# Altium PCB Audio-Beamformer_V1.0.PcbDoc (part 9 of 11)
Units mm, origin at the board's own origin, x right, y up, seen from the top; angles counter-clockwise.
Board outline 300 x 376 mm, 2 copper layers (Top Layer, Bottom Layer), stack 1.548 mm thick; 1137 components, 629 nets, 3569 pads, 2808 vias.
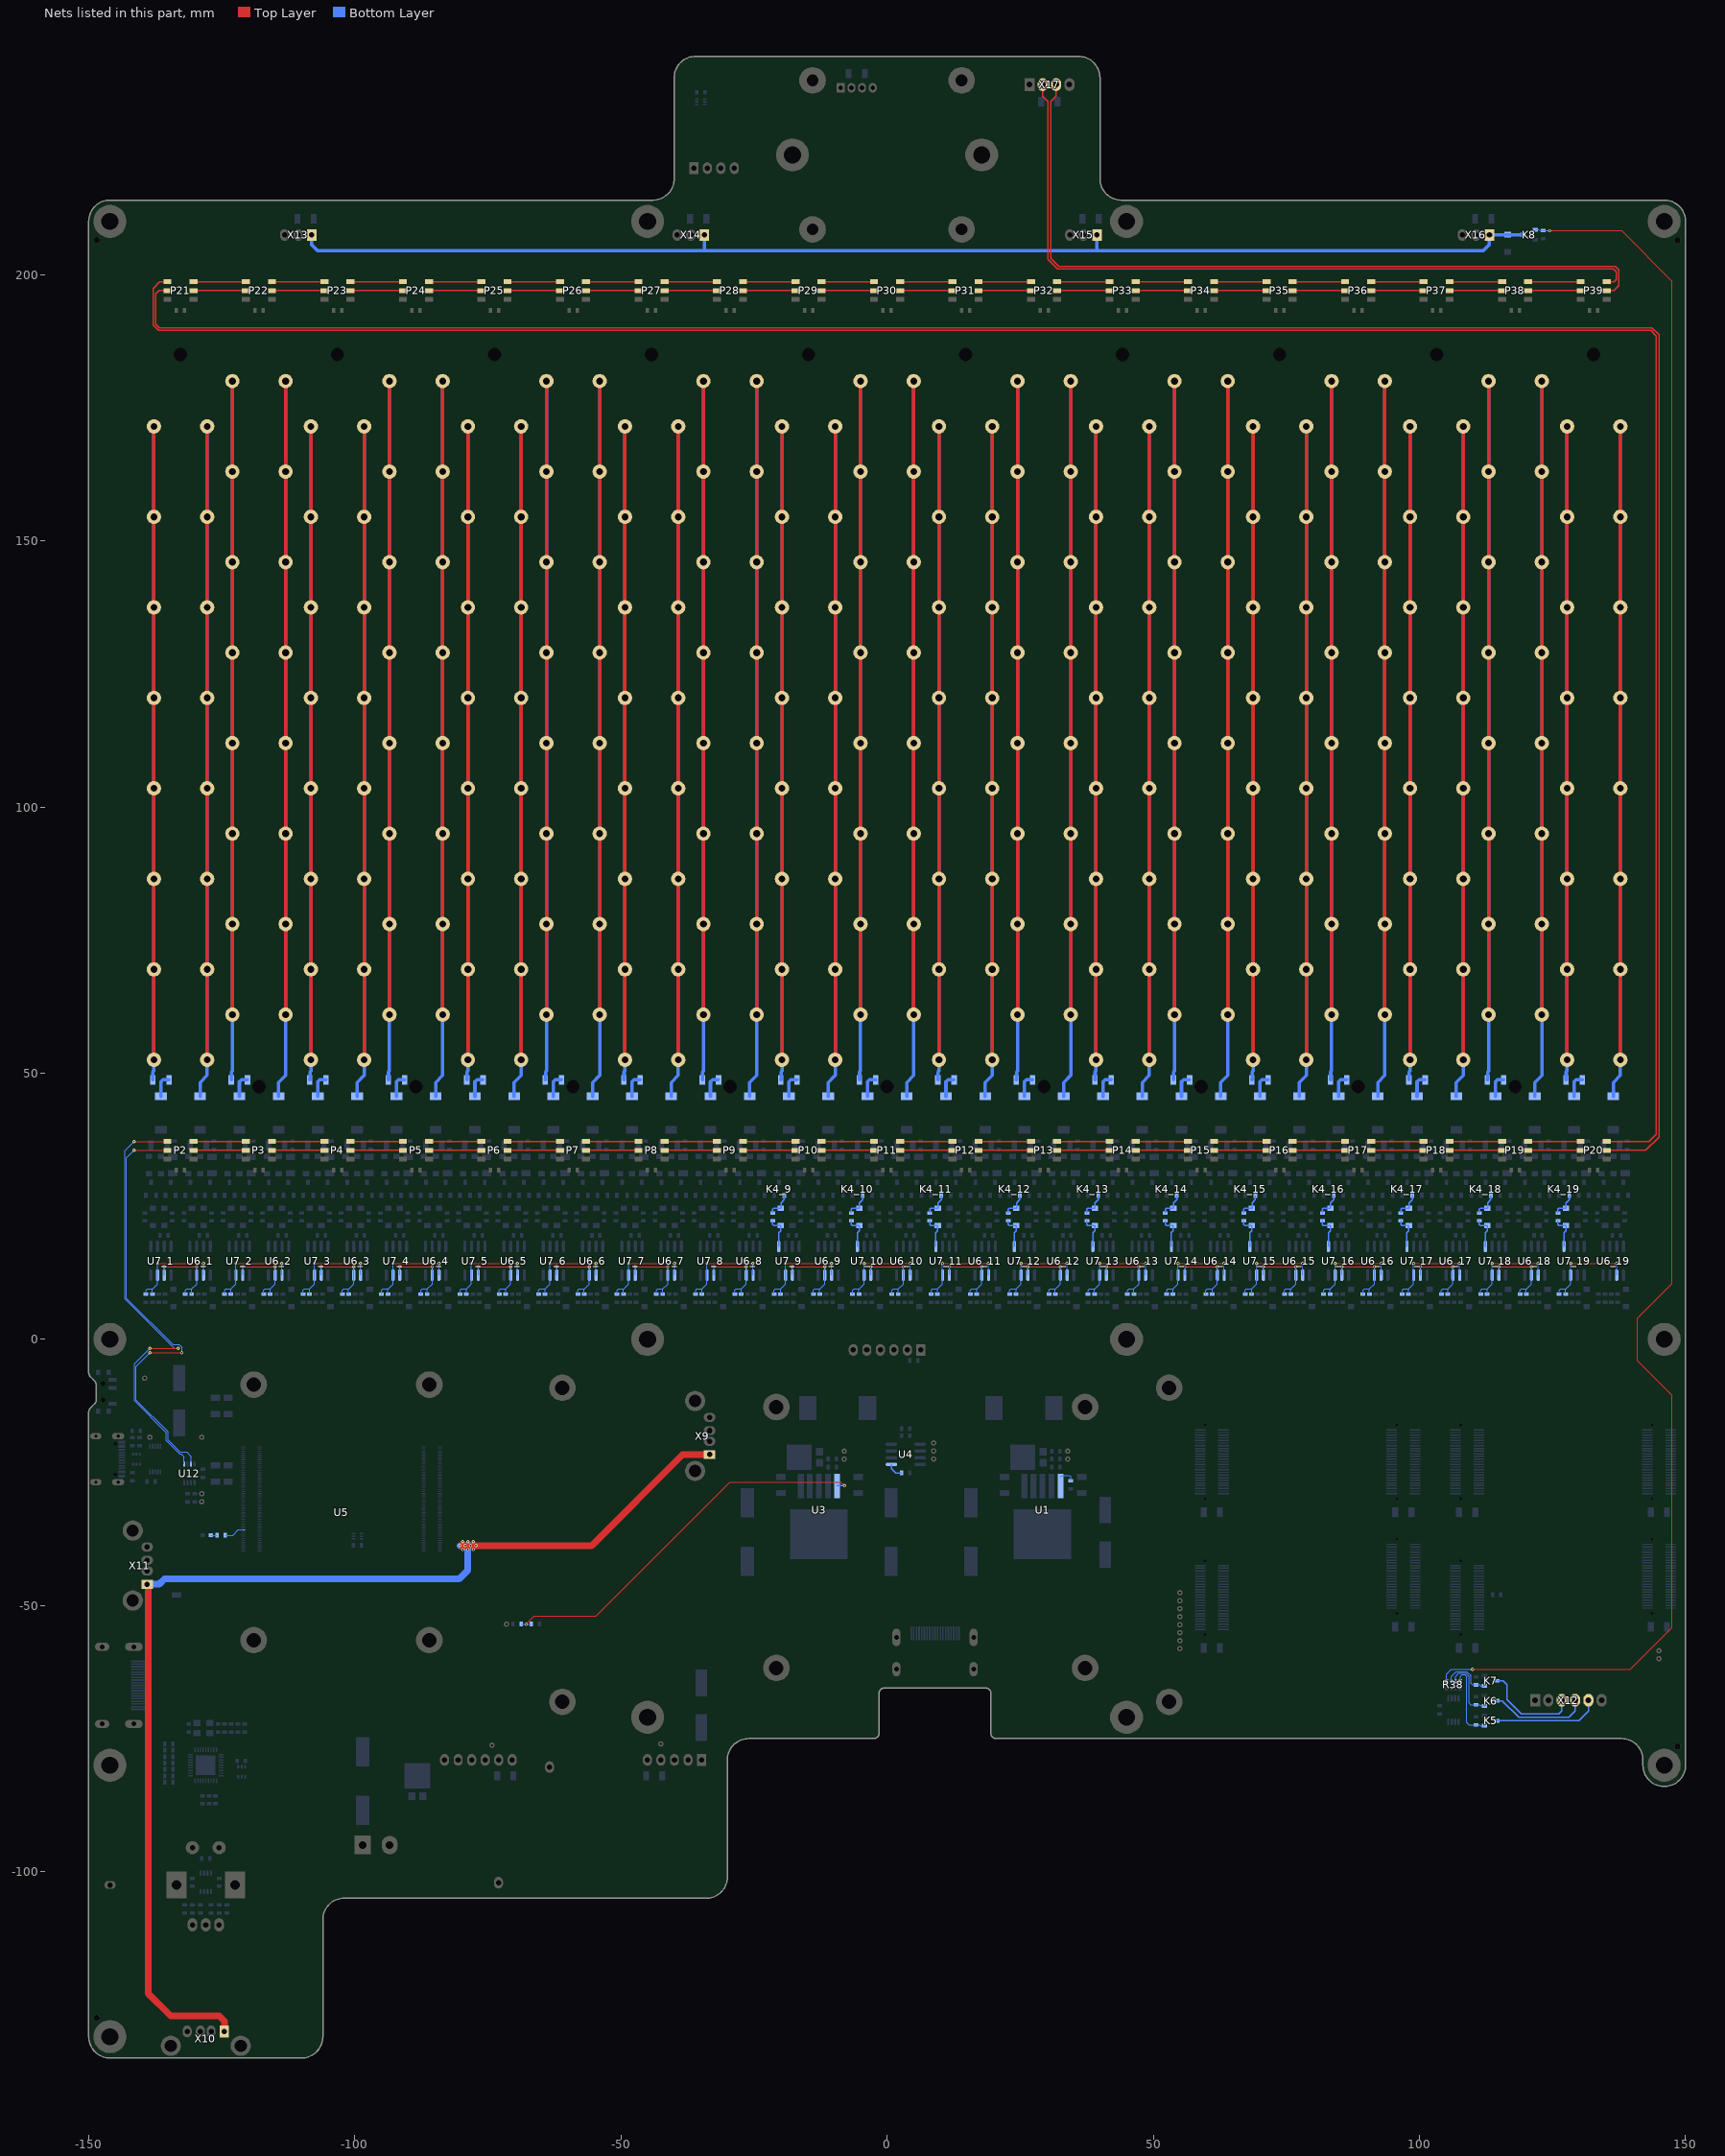
[diagram p9: the nets of this part, all layers, seen from the top]

## Via types
v1: diameter 0.62, hole 0.3, Top Layer to Bottom Layer, tented both sides, 2808 vias

## Nets (pads, with @x,y where several pads share a name; then routed paths per layer and width w, separated by ;. In a path a pad name is that pad's centre, name@x,y a point inside that pad or via, vN(x,y) a via of type N, cw(c..) or ccw(c..) an arc to the next point about the centre after c; other vN are vias at no path point) (continued)
NetD12_9_A: D12_9.A K4_9.G R23_9.1 | length 4.9
  Bottom Layer w0.25: R23_9.1@-21.475,23.762 -21.475,24.406 -21.268,24.613 D12_9.A@-19.982,24.613 ; D12_9.A@-19.975,24.62 -19.913,24.683 -19.913,25.631 -19.331,26.213 K4_9.G@-19.331,27.05
NetD12_9_K: D12_9.K R23_9.2 U7_9.5 | length 6.3
  Bottom Layer w0.25: R23_9.2@-21.475,22.238 -21.475,21.595 -21.268,21.387 D12_9.K@-19.982,21.387
  Bottom Layer w0.254: U7_9.5@-20.342,17.45 -20.342,20.008 -19.975,20.375 D12_9.K@-19.975,21.38
NetD12_10_A: D12_10.A K4_10.G R23_10.1 | length 4.9
  Bottom Layer w0.25: R23_10.1@-6.725,23.762 -6.725,24.406 -6.518,24.613 D12_10.A@-5.232,24.613 ; D12_10.A@-5.225,24.62 -5.162,24.683 -5.162,25.631 -4.581,26.213 K4_10.G@-4.581,27.05
NetD12_10_K: D12_10.K R23_10.2 U7_10.5 | length 6.3
  Bottom Layer w0.25: R23_10.2@-6.725,22.238 -6.725,21.595 -6.518,21.387 D12_10.K@-5.232,21.387
  Bottom Layer w0.254: U7_10.5@-5.592,17.45 -5.592,20.008 -5.225,20.375 D12_10.K@-5.225,21.38
NetD12_11_A: D12_11.A K4_11.G R23_11.1 | length 4.9
  Bottom Layer w0.25: R23_11.1@8.025,23.762 8.025,24.406 8.232,24.613 D12_11.A@9.518,24.613 ; D12_11.A@9.525,24.62 9.588,24.683 9.588,25.631 10.169,26.213 K4_11.G@10.169,27.05
NetD12_11_K: D12_11.K R23_11.2 U7_11.5 | length 6.3
  Bottom Layer w0.25: R23_11.2@8.025,22.238 8.025,21.595 8.232,21.387 D12_11.K@9.518,21.387
  Bottom Layer w0.254: U7_11.5@9.158,17.45 9.158,20.008 9.525,20.375 D12_11.K@9.525,21.38
NetD12_12_A: D12_12.A K4_12.G R23_12.1 | length 4.9
  Bottom Layer w0.25: R23_12.1@22.775,23.762 22.775,24.406 22.982,24.613 D12_12.A@24.268,24.613 ; D12_12.A@24.275,24.62 24.338,24.683 24.338,25.631 24.919,26.213 K4_12.G@24.919,27.05
NetD12_12_K: D12_12.K R23_12.2 U7_12.5 | length 6.3
  Bottom Layer w0.25: R23_12.2@22.775,22.238 22.775,21.595 22.982,21.387 D12_12.K@24.268,21.387
  Bottom Layer w0.254: U7_12.5@23.908,17.45 23.908,20.008 24.275,20.375 D12_12.K@24.275,21.38
NetD12_13_A: D12_13.A K4_13.G R23_13.1 | length 4.9
  Bottom Layer w0.25: R23_13.1@37.525,23.762 37.525,24.406 37.732,24.613 D12_13.A@39.018,24.613 ; D12_13.A@39.025,24.62 39.088,24.683 39.088,25.631 39.669,26.213 K4_13.G@39.669,27.05
NetD12_13_K: D12_13.K R23_13.2 U7_13.5 | length 6.3
  Bottom Layer w0.25: R23_13.2@37.525,22.238 37.525,21.595 37.732,21.387 D12_13.K@39.018,21.387
  Bottom Layer w0.254: U7_13.5@38.658,17.45 38.658,20.008 39.025,20.375 D12_13.K@39.025,21.38
NetD12_14_A: D12_14.A K4_14.G R23_14.1 | length 4.9
  Bottom Layer w0.25: R23_14.1@52.275,23.762 52.275,24.406 52.482,24.613 D12_14.A@53.768,24.613 ; D12_14.A@53.775,24.62 53.838,24.683 53.838,25.631 54.419,26.213 K4_14.G@54.419,27.05
NetD12_14_K: D12_14.K R23_14.2 U7_14.5 | length 6.3
  Bottom Layer w0.25: R23_14.2@52.275,22.238 52.275,21.595 52.482,21.387 D12_14.K@53.768,21.387
  Bottom Layer w0.254: U7_14.5@53.408,17.45 53.408,20.008 53.775,20.375 D12_14.K@53.775,21.38
NetD12_15_A: D12_15.A K4_15.G R23_15.1 | length 4.9
  Bottom Layer w0.25: R23_15.1@67.025,23.762 67.025,24.406 67.232,24.613 D12_15.A@68.518,24.613 ; D12_15.A@68.525,24.62 68.588,24.683 68.588,25.631 69.169,26.213 K4_15.G@69.169,27.05
NetD12_15_K: D12_15.K R23_15.2 U7_15.5 | length 6.3
  Bottom Layer w0.25: R23_15.2@67.025,22.238 67.025,21.595 67.232,21.387 D12_15.K@68.518,21.387
  Bottom Layer w0.254: U7_15.5@68.158,17.45 68.158,20.008 68.525,20.375 D12_15.K@68.525,21.38
NetD12_16_A: D12_16.A K4_16.G R23_16.1 | length 4.9
  Bottom Layer w0.25: R23_16.1@81.775,23.762 81.775,24.406 81.982,24.613 D12_16.A@83.268,24.613 ; D12_16.A@83.275,24.62 83.338,24.683 83.338,25.631 83.919,26.213 K4_16.G@83.919,27.05
NetD12_16_K: D12_16.K R23_16.2 U7_16.5 | length 6.3
  Bottom Layer w0.25: R23_16.2@81.775,22.238 81.775,21.595 81.982,21.387 D12_16.K@83.268,21.387
  Bottom Layer w0.254: U7_16.5@82.908,17.45 82.908,20.008 83.275,20.375 D12_16.K@83.275,21.38
NetD12_17_A: D12_17.A K4_17.G R23_17.1 | length 4.9
  Bottom Layer w0.25: R23_17.1@96.525,23.762 96.525,24.406 96.732,24.613 D12_17.A@98.018,24.613 ; D12_17.A@98.025,24.62 98.088,24.683 98.088,25.631 98.669,26.213 K4_17.G@98.669,27.05
NetD12_17_K: D12_17.K R23_17.2 U7_17.5 | length 6.3
  Bottom Layer w0.25: R23_17.2@96.525,22.238 96.525,21.595 96.732,21.387 D12_17.K@98.018,21.387
  Bottom Layer w0.254: U7_17.5@97.658,17.45 97.658,20.008 98.025,20.375 D12_17.K@98.025,21.38
NetD12_18_A: D12_18.A K4_18.G R23_18.1 | length 4.9
  Bottom Layer w0.25: R23_18.1@111.275,23.762 111.275,24.406 111.482,24.613 D12_18.A@112.768,24.613 ; D12_18.A@112.775,24.62 112.838,24.683 112.838,25.631 113.419,26.213 K4_18.G@113.419,27.05
NetD12_18_K: D12_18.K R23_18.2 U7_18.5 | length 6.3
  Bottom Layer w0.25: R23_18.2@111.275,22.238 111.275,21.595 111.482,21.387 D12_18.K@112.768,21.387
  Bottom Layer w0.254: U7_18.5@112.408,17.45 112.408,20.008 112.775,20.375 D12_18.K@112.775,21.38
NetD12_19_A: D12_19.A K4_19.G R23_19.1 | length 4.9
  Bottom Layer w0.25: R23_19.1@126.025,23.762 126.025,24.406 126.232,24.613 D12_19.A@127.518,24.613 ; D12_19.A@127.525,24.62 127.588,24.683 127.588,25.631 128.169,26.213 K4_19.G@128.169,27.05
NetD12_19_K: D12_19.K R23_19.2 U7_19.5 | length 6.3
  Bottom Layer w0.25: R23_19.2@126.025,22.238 126.025,21.595 126.232,21.387 D12_19.K@127.518,21.387
  Bottom Layer w0.254: U7_19.5@127.158,17.45 127.158,20.008 127.525,20.375 D12_19.K@127.525,21.38
NetD16_A: D16.A K8.D X13.1 X14.1 X15.1 X16.1 | length 238
  Bottom Layer w0.635: X13.1@-108.085,207.45 -108.085,205.585 -107,204.5 -34.4,204.5 ; X14.1@-34.335,207.45 -34.335,204.565 -34.4,204.5 ; X15.1@39.415,207.45 39.415,204.515 39.4,204.5 ; D16.A@116.6,207.52 113.235,207.52 X16.1@113.165,207.45 113.165,205.665 112,204.5 39.4,204.5 ; D16.A@116.62,207.5 K8.D@119.4,207.5 ; -34.4,204.5 39.4,204.5
NetF1_1: F1.1 X9.1 X10.1 X11.1 | length 216.8
  Top Layer w1.27: X11.1@-139.01,-46 -138.8,-46.21 -138.8,-122.9 -134.6,-127.1 -125.459,-127.1 -124.5,-128.059 X10.1@-124.5,-130.01 X10.1@-124.715,-129.795 ; -79.9,-38.8 -79.25,-38.8 -78.9,-38.8 ; -77.9,-38.8 -76.9,-38.8 ; v1(-77.25,-38.75) -55.5,-38.75 -38.4,-21.65 X9.1@-33.36,-21.65
  Bottom Layer w1.27: X11.1@-139.01,-46 -138.963,-45.953 -136.703,-45.953 -135.726,-44.976 F1.1@-133.5,-44.976 -80.376,-44.976 -78.75,-43.35 v1(-78.75,-39.5) ; v1(-80.25,-38.75) v1(-79.25,-38.75) v1(-78.25,-38.75) v1@-77.35,-38.75
  other v1: -79.75,-39.5 -77.75,-39.5 -79.75,-38 -78.75,-38 -77.75,-38
NetK5_D: K5.D X12.5 | length 19.9
  Bottom Layer w0.254: K5.D@114.6,-71.65 129.95,-71.65 131.75,-69.85 X12.5@131.75,-67.8
NetK5_G: K5.G R38.4 R39.2 | length 14.6
  Bottom Layer w0.152: R38.4@107.675,-64.2 107.675,-63.325 108,-63 108.5,-63 108.9,-63.4 108.9,-72 109.312,-72.412 R39.2@110.65,-72.412 110.662,-72.4 111.3,-72.4 111.5,-72.6 K5.G@112.2,-72.6
NetK6_D: K6.D X12.4 | length 18.5
  Bottom Layer w0.254: K6.D@114.6,-67.9 115.6,-67.9 118.7,-71 128.1,-71 129.25,-69.85 X12.4@129.25,-67.8
NetK6_G: K6.G R38.3 R40.2 | length 12
  Bottom Layer w0.152: R38.3@106.8,-64.2 106.8,-63.3 107.4,-62.7 108.7,-62.7 109.3,-63.3 109.3,-68.3 109.65,-68.65 110.65,-68.65 111.3,-68.65 111.5,-68.85 K6.G@112.2,-68.85
NetK7_D: K7.D X12.3 | length 18.7
  Bottom Layer w0.254: K7.D@114.6,-64.15 115.75,-64.15 116.5,-64.9 116.5,-67.7 119.2,-70.4 126.2,-70.4 126.75,-69.85 X12.3@126.75,-67.8
NetK7_G: K7.G R38.2 R41.2 | length 9.4
  Bottom Layer w0.152: R38.2@106,-64.2 106,-63.3 106.9,-62.4 108.9,-62.4 109.7,-63.2 109.7,-64.6 110,-64.9 111.3,-64.9 111.5,-65.1 K7.G@112.2,-65.1
NetK8_G: K8.G R38.1 R42.2 | length 335.3
  Top Layer w0.152: v1(110,-62) 139.6,-62 147.5,-54.1 147.5,-10.5 141,-4 141,4 147.5,10.5 147.5,198.75 138,208.25 v1(124.5,208.25)
  Bottom Layer w0.152: R38.1@105.125,-64.2 105.125,-62.875 106,-62 v1(110,-62) ; K8.G@121.8,208.45 122.45,208.45 122.638,208.262 R42.2@123.3,208.262 124.488,208.262 v1(124.5,208.25)
NetL3_1_2: L3_1.2 Q1_1.2 Q2_1.2 Q3_1.2 Q4_1.2 Q5_1.2 Q6_1.2 Q7_1.2 Q8_1.2 | length 246.1
  Top Layer w0.635: Q1_1.2@-127.75,52.5 Q8_1.2@-127.75,171.5
  Bottom Layer w0.635: L3_1.2@-129.063,45.65 -129.063,48.263 -127.745,49.58 -127.745,52.5 -127.745,69.5 -127.745,86.5 -127.745,103.5 -127.745,120.5 -127.745,137.5 -127.745,154.5 -127.745,160.75 Q8_1.2@-127.745,172.253
NetL3_2_2: L3_2.2 Q1_2.2 Q2_2.2 Q3_2.2 Q4_2.2 Q5_2.2 Q6_2.2 Q7_2.2 Q8_2.2 | length 365.1
  Top Layer w0.635: Q1_2.2@-113,61 Q8_2.2@-113,180
  Bottom Layer w0.635: L3_2.2@-114.312,45.65 -114.312,48.263 -112.995,49.58 -112.995,52.5 -112.995,69.5 -112.995,86.5 -112.995,103.5 -112.995,120.5 -112.995,137.5 -112.995,154.5 -112.995,160.75 -112.995,172.253 ; Q1_2.2@-113,61 Q8_2.2@-113,180
NetL3_3_2: L3_3.2 Q1_3.2 Q2_3.2 Q3_3.2 Q4_3.2 Q5_3.2 Q6_3.2 Q7_3.2 Q8_3.2 | length 246.1
  Top Layer w0.635: Q1_3.2@-98.25,52.5 Q8_3.2@-98.25,171.5
  Bottom Layer w0.635: L3_3.2@-99.563,45.65 -99.563,48.263 -98.245,49.58 -98.245,52.5 -98.245,69.5 -98.245,86.5 -98.245,103.5 -98.245,120.5 -98.245,137.5 -98.245,154.5 -98.245,160.75 Q8_3.2@-98.245,172.253
NetL3_4_2: L3_4.2 Q1_4.2 Q2_4.2 Q3_4.2 Q4_4.2 Q5_4.2 Q6_4.2 Q7_4.2 Q8_4.2 | length 365.1
  Top Layer w0.635: Q1_4.2@-83.5,61 Q8_4.2@-83.5,180
  Bottom Layer w0.635: L3_4.2@-84.812,45.65 -84.812,48.263 -83.495,49.58 -83.495,52.5 -83.495,69.5 -83.495,86.5 -83.495,103.5 -83.495,120.5 -83.495,137.5 -83.495,154.5 -83.495,160.75 -83.495,172.253 ; Q1_4.2@-83.5,61 Q8_4.2@-83.5,180
NetL3_5_2: L3_5.2 Q1_5.2 Q2_5.2 Q3_5.2 Q4_5.2 Q5_5.2 Q6_5.2 Q7_5.2 Q8_5.2 | length 246.1
  Top Layer w0.635: Q1_5.2@-68.75,52.5 Q8_5.2@-68.75,171.5
  Bottom Layer w0.635: L3_5.2@-70.062,45.65 -70.062,48.263 -68.745,49.58 -68.745,52.5 -68.745,69.5 -68.745,86.5 -68.745,103.5 -68.745,120.5 -68.745,137.5 -68.745,154.5 -68.745,160.75 Q8_5.2@-68.745,172.253
NetL3_6_2: L3_6.2 Q1_6.2 Q2_6.2 Q3_6.2 Q4_6.2 Q5_6.2 Q6_6.2 Q7_6.2 Q8_6.2 | length 365.1
  Top Layer w0.635: Q1_6.2@-54,61 Q8_6.2@-54,180
  Bottom Layer w0.635: L3_6.2@-55.313,45.65 -55.313,48.263 -53.995,49.58 -53.995,52.5 -53.995,69.5 -53.995,86.5 -53.995,103.5 -53.995,120.5 -53.995,137.5 -53.995,154.5 -53.995,160.75 -53.995,172.253 ; Q1_6.2@-54,61 Q8_6.2@-54,180
NetL3_7_2: L3_7.2 Q1_7.2 Q2_7.2 Q3_7.2 Q4_7.2 Q5_7.2 Q6_7.2 Q7_7.2 Q8_7.2 | length 246.1
  Top Layer w0.635: Q1_7.2@-39.25,52.5 Q8_7.2@-39.25,171.5
  Bottom Layer w0.635: L3_7.2@-40.562,45.65 -40.562,48.263 -39.245,49.58 -39.245,52.5 -39.245,69.5 -39.245,86.5 -39.245,103.5 -39.245,120.5 -39.245,137.5 -39.245,154.5 -39.245,160.75 Q8_7.2@-39.245,172.253
NetL3_8_2: L3_8.2 Q1_8.2 Q2_8.2 Q3_8.2 Q4_8.2 Q5_8.2 Q6_8.2 Q7_8.2 Q8_8.2 | length 365.1
  Top Layer w0.635: Q1_8.2@-24.5,61 Q8_8.2@-24.5,180
  Bottom Layer w0.635: L3_8.2@-25.813,45.65 -25.813,48.263 -24.495,49.58 -24.495,52.5 -24.495,69.5 -24.495,86.5 -24.495,103.5 -24.495,120.5 -24.495,137.5 -24.495,154.5 -24.495,160.75 -24.495,172.253 ; Q1_8.2@-24.5,61 Q8_8.2@-24.5,180
NetL3_9_2: L3_9.2 Q1_9.2 Q2_9.2 Q3_9.2 Q4_9.2 Q5_9.2 Q6_9.2 Q7_9.2 Q8_9.2 | length 246.1
  Top Layer w0.635: Q1_9.2@-9.75,52.5 Q8_9.2@-9.75,171.5
  Bottom Layer w0.635: L3_9.2@-11.063,45.65 -11.063,48.263 -9.745,49.58 -9.745,52.5 -9.745,69.5 -9.745,86.5 -9.745,103.5 -9.745,120.5 -9.745,137.5 -9.745,154.5 -9.745,160.75 Q8_9.2@-9.745,172.253
NetL3_10_2: L3_10.2 Q1_10.2 Q2_10.2 Q3_10.2 Q4_10.2 Q5_10.2 Q6_10.2 Q7_10.2 Q8_10.2 | length 365.1
  Top Layer w0.635: Q1_10.2@5,61 Q8_10.2@5,180
  Bottom Layer w0.635: L3_10.2@3.688,45.65 3.688,48.263 5.005,49.58 5.005,52.5 5.005,69.5 5.005,86.5 5.005,103.5 5.005,120.5 5.005,137.5 5.005,154.5 5.005,160.75 5.005,172.253 ; Q1_10.2@5,61 Q8_10.2@5,180
NetL3_11_2: L3_11.2 Q1_11.2 Q2_11.2 Q3_11.2 Q4_11.2 Q5_11.2 Q6_11.2 Q7_11.2 Q8_11.2 | length 246.1
  Top Layer w0.635: Q1_11.2@19.75,52.5 Q8_11.2@19.75,171.5
  Bottom Layer w0.635: L3_11.2@18.438,45.65 18.438,48.263 19.755,49.58 19.755,52.5 19.755,69.5 19.755,86.5 19.755,103.5 19.755,120.5 19.755,137.5 19.755,154.5 19.755,160.75 Q8_11.2@19.755,172.253
NetL3_12_2: L3_12.2 Q1_12.2 Q2_12.2 Q3_12.2 Q4_12.2 Q5_12.2 Q6_12.2 Q7_12.2 Q8_12.2 | length 365.1
  Top Layer w0.635: Q1_12.2@34.5,61 Q8_12.2@34.5,180
  Bottom Layer w0.635: L3_12.2@33.188,45.65 33.188,48.263 34.505,49.58 34.505,52.5 34.505,69.5 34.505,86.5 34.505,103.5 34.505,120.5 34.505,137.5 34.505,154.5 34.505,160.75 34.505,172.253 ; Q1_12.2@34.5,61 Q8_12.2@34.5,180
NetL3_13_2: L3_13.2 Q1_13.2 Q2_13.2 Q3_13.2 Q4_13.2 Q5_13.2 Q6_13.2 Q7_13.2 Q8_13.2 | length 246.1
  Top Layer w0.635: Q1_13.2@49.25,52.5 Q8_13.2@49.25,171.5
  Bottom Layer w0.635: L3_13.2@47.938,45.65 47.938,48.263 49.255,49.58 49.255,52.5 49.255,69.5 49.255,86.5 49.255,103.5 49.255,120.5 49.255,137.5 49.255,154.5 49.255,160.75 Q8_13.2@49.255,172.253
NetL3_14_2: L3_14.2 Q1_14.2 Q2_14.2 Q3_14.2 Q4_14.2 Q5_14.2 Q6_14.2 Q7_14.2 Q8_14.2 | length 365.1
  Top Layer w0.635: Q1_14.2@64,61 Q8_14.2@64,180
  Bottom Layer w0.635: L3_14.2@62.688,45.65 62.688,48.263 64.005,49.58 64.005,52.5 64.005,69.5 64.005,86.5 64.005,103.5 64.005,120.5 64.005,137.5 64.005,154.5 64.005,160.75 64.005,172.253 ; Q1_14.2@64,61 Q8_14.2@64,180
NetL3_15_2: L3_15.2 Q1_15.2 Q2_15.2 Q3_15.2 Q4_15.2 Q5_15.2 Q6_15.2 Q7_15.2 Q8_15.2 | length 246.1
  Top Layer w0.635: Q1_15.2@78.75,52.5 Q8_15.2@78.75,171.5
  Bottom Layer w0.635: L3_15.2@77.438,45.65 77.438,48.263 78.755,49.58 78.755,52.5 78.755,69.5 78.755,86.5 78.755,103.5 78.755,120.5 78.755,137.5 78.755,154.5 78.755,160.75 Q8_15.2@78.755,172.253
NetL3_16_2: L3_16.2 Q1_16.2 Q2_16.2 Q3_16.2 Q4_16.2 Q5_16.2 Q6_16.2 Q7_16.2 Q8_16.2 | length 365.1
  Top Layer w0.635: Q1_16.2@93.5,61 Q8_16.2@93.5,180
  Bottom Layer w0.635: L3_16.2@92.188,45.65 92.188,48.263 93.505,49.58 93.505,52.5 93.505,69.5 93.505,86.5 93.505,103.5 93.505,120.5 93.505,137.5 93.505,154.5 93.505,160.75 93.505,172.253 ; Q1_16.2@93.5,61 Q8_16.2@93.5,180
NetL3_17_2: L3_17.2 Q1_17.2 Q2_17.2 Q3_17.2 Q4_17.2 Q5_17.2 Q6_17.2 Q7_17.2 Q8_17.2 | length 246.1
  Top Layer w0.635: Q1_17.2@108.25,52.5 Q8_17.2@108.25,171.5
  Bottom Layer w0.635: L3_17.2@106.938,45.65 106.938,48.263 108.255,49.58 108.255,52.5 108.255,69.5 108.255,86.5 108.255,103.5 108.255,120.5 108.255,137.5 108.255,154.5 108.255,160.75 Q8_17.2@108.255,172.253
NetL3_18_2: L3_18.2 Q1_18.2 Q2_18.2 Q3_18.2 Q4_18.2 Q5_18.2 Q6_18.2 Q7_18.2 Q8_18.2 | length 365.1
  Top Layer w0.635: Q1_18.2@123,61 Q8_18.2@123,180
  Bottom Layer w0.635: L3_18.2@121.688,45.65 121.688,48.263 123.005,49.58 123.005,52.5 123.005,69.5 123.005,86.5 123.005,103.5 123.005,120.5 123.005,137.5 123.005,154.5 123.005,160.75 123.005,172.253 ; Q1_18.2@123,61 Q8_18.2@123,180
NetL3_19_2: L3_19.2 Q1_19.2 Q2_19.2 Q3_19.2 Q4_19.2 Q5_19.2 Q6_19.2 Q7_19.2 Q8_19.2 | length 246.1
  Top Layer w0.635: Q1_19.2@137.75,52.5 Q8_19.2@137.75,171.5
  Bottom Layer w0.635: L3_19.2@136.438,45.65 136.438,48.263 137.755,49.58 137.755,52.5 137.755,69.5 137.755,86.5 137.755,103.5 137.755,120.5 137.755,137.5 137.755,154.5 137.755,160.75 Q8_19.2@137.755,172.253
NetL4_1_2: L4_1.2 R18_1.1 | length 4.4
  Bottom Layer w0.635: L4_1.2@-136.438,45.65 -136.437,48.378 -136.066,48.75 R18_1.1@-134.913,48.75
NetL4_2_2: L4_2.2 R18_2.1 | length 4.4
  Bottom Layer w0.635: L4_2.2@-121.688,45.65 -121.687,48.378 -121.316,48.75 R18_2.1@-120.163,48.75
NetL4_3_2: L4_3.2 R18_3.1 | length 4.4
  Bottom Layer w0.635: L4_3.2@-106.938,45.65 -106.938,48.378 -106.566,48.75 R18_3.1@-105.414,48.75
NetL4_4_2: L4_4.2 R18_4.1 | length 4.4
  Bottom Layer w0.635: L4_4.2@-92.188,45.65 -92.187,48.378 -91.816,48.75 R18_4.1@-90.663,48.75
NetL4_5_2: L4_5.2 R18_5.1 | length 4.4
  Bottom Layer w0.635: L4_5.2@-77.438,45.65 -77.437,48.378 -77.066,48.75 R18_5.1@-75.913,48.75
NetL4_6_2: L4_6.2 R18_6.1 | length 4.4
  Bottom Layer w0.635: L4_6.2@-62.688,45.65 -62.687,48.378 -62.316,48.75 R18_6.1@-61.163,48.75
NetL4_7_2: L4_7.2 R18_7.1 | length 4.4
  Bottom Layer w0.635: L4_7.2@-47.938,45.65 -47.937,48.378 -47.566,48.75 R18_7.1@-46.413,48.75
NetL4_8_2: L4_8.2 R18_8.1 | length 4.4
  Bottom Layer w0.635: L4_8.2@-33.188,45.65 -33.188,48.378 -32.816,48.75 R18_8.1@-31.664,48.75
NetL4_9_2: L4_9.2 R18_9.1 | length 4.4
  Bottom Layer w0.635: L4_9.2@-18.438,45.65 -18.437,48.378 -18.066,48.75 R18_9.1@-16.913,48.75
NetL4_10_2: L4_10.2 R18_10.1 | length 4.4
  Bottom Layer w0.635: L4_10.2@-3.688,45.65 -3.687,48.378 -3.316,48.75 R18_10.1@-2.163,48.75
NetL4_11_2: L4_11.2 R18_11.1 | length 4.4
  Bottom Layer w0.635: L4_11.2@11.063,45.65 11.063,48.378 11.434,48.75 R18_11.1@12.587,48.75
NetL4_12_2: L4_12.2 R18_12.1 | length 4.4
  Bottom Layer w0.635: L4_12.2@25.813,45.65 25.813,48.378 26.184,48.75 R18_12.1@27.337,48.75
NetL4_13_2: L4_13.2 R18_13.1 | length 4.4
  Bottom Layer w0.635: L4_13.2@40.562,45.65 40.563,48.378 40.934,48.75 R18_13.1@42.087,48.75
NetL4_14_2: L4_14.2 R18_14.1 | length 4.4
  Bottom Layer w0.635: L4_14.2@55.313,45.65 55.313,48.378 55.684,48.75 R18_14.1@56.837,48.75
NetL4_15_2: L4_15.2 R18_15.1 | length 4.4
  Bottom Layer w0.635: L4_15.2@70.062,45.65 70.063,48.378 70.434,48.75 R18_15.1@71.587,48.75
NetL4_16_2: L4_16.2 R18_16.1 | length 4.4
  Bottom Layer w0.635: L4_16.2@84.812,45.65 84.813,48.378 85.184,48.75 R18_16.1@86.337,48.75
NetL4_17_2: L4_17.2 R18_17.1 | length 4.4
  Bottom Layer w0.635: L4_17.2@99.563,45.65 99.563,48.378 99.934,48.75 R18_17.1@101.087,48.75
NetL4_18_2: L4_18.2 R18_18.1 | length 4.4
  Bottom Layer w0.635: L4_18.2@114.312,45.65 114.313,48.378 114.684,48.75 R18_18.1@115.837,48.75
NetL4_19_2: L4_19.2 R18_19.1 | length 4.4
  Bottom Layer w0.635: L4_19.2@129.063,45.65 129.063,48.378 129.434,48.75 R18_19.1@130.587,48.75
NetP1_K: P1.K R10.1 | length 1.2
  Bottom Layer w0.152: P1.K@-127.05,-36.8 R10.1@-125.862,-36.8
NetP2_1: P2.1 U12.5 | length 82.7
  Top Layer w0.152: v1(-141.5,37.15) P2.1@-135.2,37.15 ; v1(-138.5,-1.7) v1(-133.2,-1.7)
  Bottom Layer w0.152: v1(-141.5,37.15) -143.2,35.45 -143.2,7.576 -133.924,-1.7 v1(-133.2,-1.7) ; v1(-138.5,-1.7) -141.4,-4.6 -141.4,-11.524 -135.4,-17.524 -135.4,-19.024 -132.924,-21.5 -132.6,-21.5 -132.075,-22.025 U12.5@-132.075,-23.45
NetP2_2: P2.2 U12.7 | length 82.7
  Top Layer w0.152: v1(-141.5,35.5) P2.2@-135.2,35.5 ; v1(-138.502,-2.502) -132.502,-2.502 v1(-132.5,-2.5)
  Bottom Layer w0.152: v1(-141.5,35.5) -142.9,34.1 -142.9,7.7 -134.2,-1 -133,-1 -132.5,-1.5 v1(-132.5,-2.5) ; v1(-138.502,-2.502) -141.1,-5.1 -141.1,-11.4 -135.1,-17.4 -135.1,-18.9 -132.8,-21.2 -131.6,-21.2 -130.775,-22.025 U12.7@-130.775,-23.206
NetP2_5: P2.5 P3.2 | length 9.9
  Top Layer w0.254: P2.5@-130.3,35.5 P3.2@-120.45,35.5
NetP2_6: P2.6 P3.1 | length 9.9
  Top Layer w0.254: P2.6@-130.3,37.15 P3.1@-120.45,37.15
NetP3_5: P3.5 P4.2 | length 9.9
  Top Layer w0.254: P3.5@-115.55,35.5 P4.2@-105.7,35.5
NetP3_6: P3.6 P4.1 | length 9.9
  Top Layer w0.254: P3.6@-115.55,37.15 P4.1@-105.7,37.15
NetP4_5: P4.5 P5.2 | length 9.9
  Top Layer w0.254: P4.5@-100.8,35.5 P5.2@-90.95,35.5
NetP4_6: P4.6 P5.1 | length 9.9
  Top Layer w0.254: P4.6@-100.8,37.15 P5.1@-90.95,37.15
NetP5_5: P5.5 P6.2 | length 9.9
  Top Layer w0.254: P5.5@-86.05,35.5 P6.2@-76.2,35.5